# KiCad board Prak's keyboard.kicad_pcb (continued)
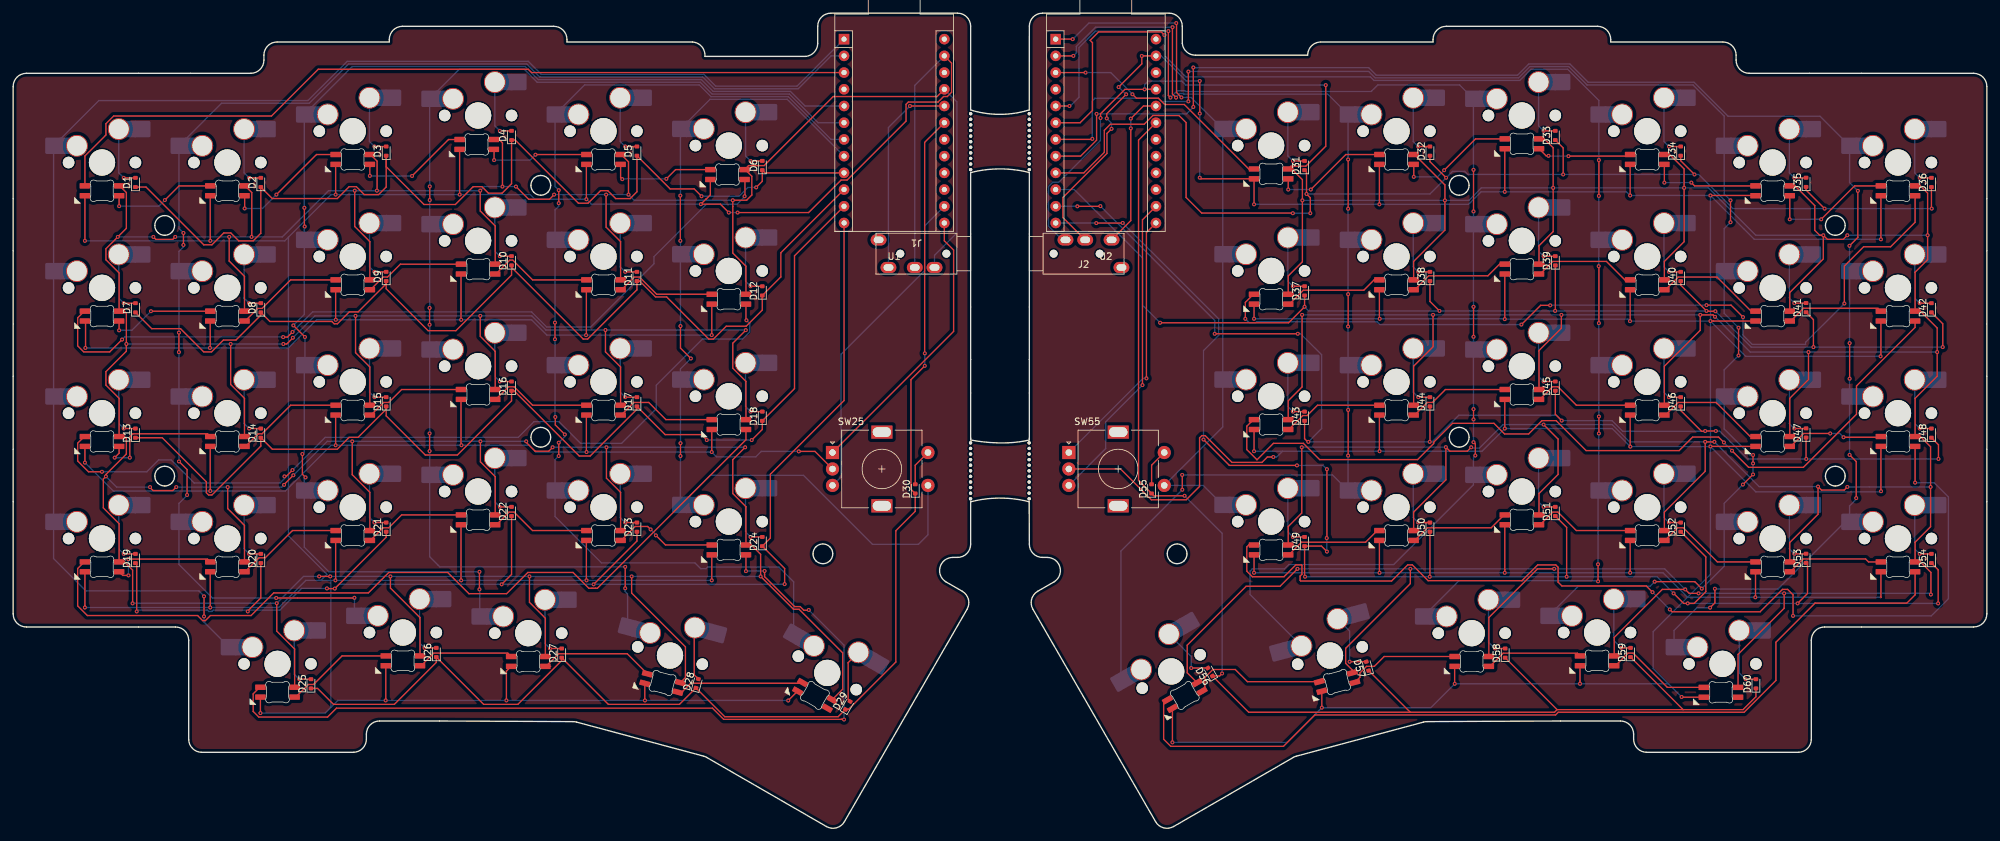
[diagram p0: board, top side]
## Routing (per net, layer and track width the routed paths; a pad name or vN(x,y) marks a point on that pad's centre or on a via; arc(x,y) is an arc through that point)
Column 0: length 334.4
  Top w0.2: v1(176.72,122.39) 176.77,122.34 176.77,111.84 v1(177.52,111.09) ; v1(161,119.94) U2.1 ; v1(29,35.26) v1(29,32.21)
  Bottom w0.2: v1(29,32.21) 29,31.34 SW26.1 ; v1(161,119.94) 161.01,119.94 163.45,122.39 v1(176.72,122.39) ; U1.1 119.11,112.8 106.75,112.8 104.96,114.59 80.25,114.59 78.27,116.57 50.76,116.57 44.8,110.61 13.02,110.61 SW1.1 SW19.1 6.14,41 11.05,36.09 28.22,36.09 29,35.31 v1(29,35.26) ; SW49.1 180.83,52.11 SW55.S1 183.79,61 SW31.1 179.01,111.09 v1(177.52,111.09)
Column 1: length 384
  Top w0.2: v1(177.62,53.71) 177.65,53.69 v1(177.65,51.46) ; v1(202.85,81.18) 202.85,76.27 v1(202.84,76.26) ; v1(161.09,117.4) U2.2 ; v1(39.96,35.01) 51.82,35.01 v1(51.85,35.04) ; v1(176.17,121.76) 176.15,121.73 176.15,111.61 v1(176.7,111.06) ; v1(25.19,55.76) 26.42,54.53 v1(26.42,50.66) ; v1(202.85,56.64) v1(202.85,63.59) ; v1(25.88,90.49) v1(25.88,88.66) ; v1(202.85,94.16) v1(202.85,101.66) ; v1(25.18,75.34) v1(25.18,72.38)
  Bottom w0.2: v1(177.62,53.71) 200.47,53.71 SW50.1 202.84,56.63 v1(202.85,56.64) ; v1(202.84,76.26) SW44.1 202.84,64.02 202.85,64.01 v1(202.85,63.59) ; v1(202.85,94.16) 202.84,94.15 SW38.1 202.84,81.82 202.85,81.81 v1(202.85,81.18) ; SW27.1 51.86,35.03 v1(51.85,35.04) ; v1(176.7,111.06) 176.7,111.11 177.28,111.69 177.77,111.69 177.87,111.59 199.75,111.59 SW32.1 202.84,102.05 202.85,102.04 v1(202.85,101.66) ; v1(25.18,72.38) 25.19,72.38 SW14.1 25.19,55.76 v1(25.19,55.76) ; U1.2 124.28,117.4 119.27,112.4 106.58,112.4 104.79,114.19 80.03,114.19 78.04,116.17 50.96,116.17 45,110.21 31.67,110.21 SW2.1 25.19,91.17 v1(25.88,90.49) ; v1(161.09,117.4) 161.55,117.86 161.55,118.84 164.47,121.76 v1(176.17,121.76) ; v1(177.65,51.46) 168.32,42.13 SW56.1 ; v1(39.96,35.01) 30.28,35.01 25.19,40.1 SW20.1 25.19,49.38 26.42,50.61 v1(26.42,50.66) ; v1(25.18,75.34) 25.19,75.34 SW8.1 25.19,87.68 25.88,88.36 v1(25.88,88.66)
Column 2: length 387.3
  Top w0.2: v1(44.42,53.34) 43.95,53.81 v1(43.95,56.89) ; v1(175.53,121.16) 175.53,111.38 v1(175.85,111.06) ; v1(221.9,100.09) v1(221.9,93.76) ; v1(221.9,63.71) v1(221.9,62.15) ; v1(222.17,56.66) 222.17,58.41 v1(221.9,58.69) ; v1(221.9,79.26) v1(221.9,74.71) ; v1(160.5,109.78) U2.5 ; v1(44.34,74.67) v1(42.57,76.44) ; v1(70.85,36.31) v1(70.85,38.99) ; v1(44.3,91.46) 44.25,91.51 v1(44.25,94.31)
  Bottom w0.2: U1.5 120.33,109.78 118.12,112 106.37,112 104.58,113.79 79.79,113.79 77.81,115.77 51.51,115.77 SW3.1 44.24,94.32 v1(44.25,94.31) ; v1(175.53,121.16) 164.44,121.16 161.95,118.67 161.95,111.11 160.62,109.78 v1(160.5,109.78) ; v1(175.85,111.06) 176.9,112.11 178.01,112.11 178.13,111.99 178.3,111.99 178.32,111.99 206.35,111.99 207.35,112.99 219.78,112.99 SW33.1 221.89,100.1 v1(221.9,100.09) ; v1(221.9,62.15) v1(221.9,58.69) ; SW57.1 187.95,35.53 187.95,39.08 188.3,39.44 193.18,39.44 193.83,40.09 209.77,40.09 221.89,52.2 SW51.1 221.89,56.38 v1(222.17,56.66) ; v1(221.9,79.26) 221.89,79.27 SW39.1 221.9,91.84 v1(221.9,93.76) ; v1(70.85,38.99) 47.98,38.99 44.24,42.72 SW21.1 44.24,53.15 v1(44.42,53.34) ; SW28.1 70.9,32.21 70.9,36.26 v1(70.85,36.31) ; v1(43.95,56.89) 44.24,57.18 SW15.1 44.34,70.49 v1(44.34,74.67) ; v1(221.9,74.71) 221.9,72.79 SW45.1 221.89,63.71 v1(221.9,63.71) ; v1(44.3,91.46) 44.24,91.41 SW9.1 44.24,78.1 v1(42.57,76.44)
Column 3: length 382.1
  Top w0.2: v1(63.3,97.56) v1(63.3,95.49) ; v1(240.95,76.79) 240.95,85.41 v1(240.92,85.44) ; v1(240.95,96.11) v1(240.95,101.56) ; v1(63.27,79.09) v1(63.27,76.54) ; v1(240.82,37.54) v1(240.82,40.14) ; U2.6 162.13,107.24 164,109.11 164,119.41 163.65,119.76 164.93,121.04 174.45,121.04 v1(174.93,120.56) ; v1(63.27,60.02) v1(63.27,57.34) ; v1(93,39.74) v1(93,36.48) ; v1(240.95,60.01) v1(240.95,62.59)
  Bottom w0.2: SW29.1 93.36,35.66 93,36.01 v1(93,36.48) ; v1(240.82,40.14) 240.82,51.23 SW52.1 240.94,60 v1(240.95,60.01) ; v1(240.95,96.11) 240.94,96.1 SW40.1 240.94,85.45 v1(240.92,85.44) ; v1(240.95,101.56) 240.95,108.48 SW34.1 240.94,110.63 236.2,115.37 230.63,115.37 228.92,113.66 206.78,113.66 206.23,114.21 178.18,114.21 174.93,117.46 v1(174.93,120.56) ; v1(240.95,76.79) 240.94,76.78 SW46.1 240.94,63.27 240.95,63.26 v1(240.95,62.59) ; v1(240.82,37.54) 240.72,37.64 219.71,37.64 SW58.1 ; v1(63.3,95.49) 63.3,95.16 63.29,95.15 SW10.1 63.29,79.1 v1(63.27,79.09) ; v1(63.27,76.54) 63.29,76.52 SW16.1 63.29,59.98 63.27,59.99 v1(63.27,60.02) ; v1(63.3,97.56) 63.29,97.57 SW4.1 67.78,115.37 77.64,115.37 79.62,113.39 104.42,113.39 106.21,111.6 117.95,111.6 122.3,107.24 U1.6 ; v1(93,39.74) 64.83,39.74 63.29,41.27 SW22.1 63.29,56.87 63.27,56.89 v1(63.27,57.34)
Column 4: length 382.7
  Top w0.2: v1(262.18,76.09) v1(262.18,71.86) ; v1(82.33,76.86) v1(82.33,74.34) ; v1(260.95,95.44) v1(260.95,92.11) ; v1(264.38,53.79) v1(262.84,52.25) ; v1(82.9,58.61) v1(82.9,56.59) ; v1(82.38,62.51) 82.38,61.31 v1(83.83,59.86) ; v1(163.97,104.79) 163.89,104.7 U2.7 ; v1(264.38,56.74) v1(264.38,55.46) ; v1(82.9,96.99) v1(82.9,95.01) ; v1(178.57,115.01) v1(178.57,110.49) ; v1(249.42,37.49) 255.52,37.49 v1(256.59,36.42)
  Bottom w0.2: v1(260.95,95.44) 259.99,96.4 SW35.1 259.99,108.25 255.25,112.99 239.15,112.99 236.37,115.77 230.46,115.77 228.76,114.06 206.95,114.06 205.98,115.04 178.57,115.04 v1(178.57,115.01) ; v1(249.42,37.49) 248.72,36.79 237.81,36.79 SW59.1 ; v1(262.18,76.09) 259.99,78.27 SW41.1 259.99,91.15 v1(260.95,92.11) ; v1(83.83,59.86) 83.83,59.54 v1(82.9,58.61) ; v1(264.38,55.46) v1(264.38,53.79) ; v1(262.84,52.25) 259.99,49.4 SW53.1 259.99,39.83 v1(256.59,36.42) ; v1(163.97,104.79) 163.97,110.56 164.38,110.96 174.03,110.96 174.53,110.46 178.55,110.46 v1(178.57,110.49) ; v1(82.38,62.51) 82.34,62.55 SW17.1 82.34,74.32 v1(82.33,74.34) ; U1.7 124.28,104.7 117.78,111.2 106.04,111.2 104.25,112.99 86.83,112.99 SW5.1 82.34,97.55 v1(82.9,96.99) ; v1(264.38,56.74) 263.95,56.74 259.99,60.7 SW47.1 259.99,69.68 v1(262.18,71.86) ; v1(82.9,95.01) 82.9,94.56 82.34,94 SW11.1 82.34,76.88 v1(82.33,76.86) ; v1(82.9,56.59) 82.34,56.03 SW23.1 82.34,47.4 89.4,40.34 103.6,40.34 104.48,39.46 105.28,39.46 105.53,39.71 116.35,39.71 118.6,37.46 SW30.1
Column 5: length 375.5
  Top w0.2: v1(101.4,76.34) 101.4,72.99 v1(102.98,71.41) ; v1(279.02,88.54) 280.3,89.81 v1(280.3,96.89) ; v1(257.85,33.54) 258.57,34.26 v1(258.57,36.41) ; v1(279.05,73.74) v1(279.05,68.34) ; v1(101.4,58.54) v1(101.4,56.59) ; v1(164.62,108.59) 164.62,104.59 162.2,102.16 U2.8 ; v1(279.04,56.76) 280.05,55.75 v1(280.05,50.19) ; v1(179.32,115.64) v1(179.32,109.64) ; v1(101.38,96.16) v1(101.38,89.29)
  Bottom w0.2: v1(164.62,108.59) 178.27,108.59 v1(179.32,109.64) ; v1(101.4,76.34) 101.39,76.35 SW12.1 101.39,89.27 v1(101.38,89.29) ; v1(101.4,56.59) 101.4,56.24 101.39,56.23 SW24.1 105.88,53.64 120.09,53.64 130.57,43.16 137.55,43.16 139,44.61 SW25.S1 ; v1(279.05,73.74) 279.04,73.75 SW42.1 279.04,88.52 v1(279.02,88.54) ; SW60.1 252.37,30.06 255.85,33.54 v1(257.85,33.54) ; v1(101.38,96.16) 101.39,96.18 SW6.1 105.88,110.79 117.62,110.79 U1.8 ; v1(280.05,50.19) 280.05,50.01 279.04,49 SW54.1 278.37,46.58 268.15,36.36 258.62,36.36 v1(258.57,36.41) ; v1(280.3,96.89) 279.04,98.15 SW36.1 274.55,108.22 260.58,108.22 255.42,113.39 239.32,113.39 236.54,116.17 230.3,116.17 228.59,114.46 207.12,114.46 205.97,115.61 179.32,115.61 v1(179.32,115.64) ; v1(279.05,68.34) 279.04,68.33 SW48.1 279.04,56.76 v1(279.04,56.76) ; v1(102.98,71.41) 101.39,69.83 SW18.1 101.39,58.55 v1(101.4,58.54)
Encoder Channel A: length 83.8
  Top w0.2: U2.13 172.2,90.55 172.2,68.39 v1(172.2,68.39) ; U1.13 141.49,89.3 142.9,87.89 142.9,75.51 SW25.A
  Bottom w0.2: SW55.A 160.41,57.12 171.67,68.39 v1(172.2,68.39)
Encoder Channel B: length 97.4
  Top w0.2: U2.14 171.6,92.49 v1(171.6,67.36)
  Bottom w0.2: U1.14 138.5,91.55 138.5,84.76 125.8,72.06 125.8,53.42 SW25.B ; v1(171.6,67.36) 166.01,61.77 166.01,57.71 SW55.B
Encoder Common Ground: length 1618
  Top w0.2: v1(117.78,19.43) D89.3 ; v1(257.9,58.04) 257.91,58.04 D107.3 ; 283.8,38.99 283.8,35.14 v2(283.77,35.11) ; v1(106.15,74.96) D72.3 ; D68.3 29.95,73.06 v1(29.9,73.01) ; D118.3 238.08,22.39 v1(238.08,21.96) ; SW55.C 168.27,54.61 172.95,49.93 178.25,49.93 180.27,51.96 180.27,59.33 180.63,59.69 181.12,59.69 185.2,55.61 189.75,55.61 190.57,56.44 v1(191.47,56.44) ; v1(245.7,38.84) D112.3 ; v1(166.9,106.31) 166.2,105.61 166.2,102.57 159.51,95.88 159.51,92.83 J2.R2 ; v1(87.12,37.68) 87.1,37.71 87.1,43.76 ; D119.3 253.57,19.92 v1(253.52,19.96) ; v1(169.12,111.56) 166.16,108.6 v1(166.16,107.9) ; v1(49,58.22) D75.3 ; D67.3 11,76.99 11,73.04 v1(10.97,73.01) ; D76.3 68.05,58.29 v1(68.12,58.22) ; v1(226.65,77.39) 226.65,84.24 ; v1(188.55,57.31) D103.3 ; v1(207.62,38.84) 207.6,38.86 D110.3 ; 87.1,100.91 v1(87.1,95.61) ; D63.3 v1(49,96.32) ; 283.8,96.14 283.8,89.52 v1(283.8,89.52) ; v1(56.6,19.44) 56.6,19.59 56.62,19.61 D86.3 ; v1(245.67,77.09) 245.7,77.11 D100.3 ; v1(226.65,60.76) 226.65,65.19 ; 37.57,19.94 37.57,17.52 v1(37.57,17.51) ; D70.3 68.05,77.31 v1(68.08,77.29) ; v1(207.6,94.84) 207.6,94.84 D92.3 ; v1(106.15,57.19) D78.3 ; v1(108.74,93.59) 107.46,94.86 v1(104.5,94.86) 105.25,95.61 105.27,95.61 105.94,96.27 D66.3 ; v1(49.02,77.29) 49,77.31 D69.3 ; D82.3 68.05,37.71 v1(68.08,37.68) ; v1(29.95,33.56) D80.3 ; v1(67.85,96.32) 67.84,96.33 D64.3 ; 87.1,62.81 87.1,57.21 v1(87.12,57.19) ; v1(10.9,33.56) D79.3 ; v1(96,19.44) 95.97,19.46 D88.3 95.83,21.89 ; v1(245.7,96.19) D94.3 ; SW25.C 121.83,57.29 v1(119.38,57.29) ; D104.3 207.6,57.34 v1(207.62,57.31) ; v1(110.08,93.59) 120.86,93.59 125.79,98.52 126.71,98.52 135.67,107.48 135.67,110.03 136.02,110.38 140.53,110.38 141.37,111.22 141.95,111.22 142.59,111.87 142.59,116.3 U1.23 ; D74.3 v1(29.95,51.26) ; D106.3 245.7,58.04 v1(245.72,58.01) ; v1(188.55,94.84) D91.3 180.47,98.72 v1(180.3,98.89) ; v1(48.96,37.69) 48.96,37.75 49,37.79 D81.3 ; v1(264.72,35.11) 264.75,35.14 D113.3 ; v1(226.65,38.84) 226.65,46.14 ; v1(226.65,96.74) 226.65,103.29 ; v1(219.05,21.96) 219.03,21.98 D117.3 ; v1(176.15,13.06) D115.3 ; v1(283.82,51.24) 283.8,51.26 283.8,58.04 ; v1(87.05,74.96) 87.1,75.01 87.1,81.86 ; v1(106.15,37.68) D84.3 ; v1(198.85,18.34) D116.3 ; 37.42,19.8 37.42,19.71 ; v1(10.9,55.59) D73.3 ; v1(180.3,113.59) v1(180.3,108.64) ; D62.3 v1(29.95,89.29) ; U2.23 171.52,117.4 v1(171.5,117.39) 171.5,116.19 v1(167.97,112.66) ; v1(257.9,96.18) 264.66,96.18 arc(264.71,96.17) D95.3 ; D98.3 207.6,77.59 207.65,77.54 v1(207.65,77.44) ; v1(188.55,77.44) D97.3 ; v1(188.55,38.84) D109.3 ; v1(10.9,89.29) D61.3 ; v1(283.75,71.74) 283.8,71.79 283.8,77.09 ; D101.3 258.37,77.09 v1(257.9,77.1) ; v1(74.95,19.44) 74.95,23.89 D87.3
  Bottom w0.2: v1(119.38,57.29) 113.68,57.29 112.85,56.46 106.88,56.46 v1(106.15,57.19) v1(87.12,57.19) ; v1(180.3,113.59) 178.24,113.59 174.44,117.39 v1(171.5,117.39) ; v1(257.9,96.18) 257.9,96.19 v1(257.9,77.1) ; v1(257.9,96.18) 245.71,96.18 v1(245.7,96.18) 245.15,96.74 v1(226.65,96.74) 223.05,96.74 221.15,94.84 207.6,94.84 v1(207.6,94.84) 207.6,94.84 v1(188.55,94.84) ; v1(257.9,96.18) 257.9,96.18 264.56,89.52 276.64,89.52 276.65,89.51 276.87,89.52 v1(283.8,89.52) ; 254.42,35.11 v1(264.72,35.11) v2(283.77,35.11) ; 254.42,35.11 249.2,29.89 249.2,24.29 251.52,21.96 ; 254.42,35.11 257.9,38.59 v1(257.9,58.04) ; 254.42,35.11 250.7,38.84 v1(245.7,38.84) v1(226.65,38.84) v1(207.62,38.84) v1(188.55,38.84) ; v1(49,58.22) 49.1,58.22 ; v1(49,58.22) 48.3,58.22 41.82,51.74 ; v1(49,58.22) 78.4,58.22 79.43,57.19 v1(87.12,57.19) ; v1(180.3,108.64) v1(180.3,98.89) ; v1(167.97,112.66) 169.07,111.56 v1(169.12,111.56) ; 251.52,21.96 v1(238.08,21.96) 219.05,21.96 v1(219.05,21.96) 215.42,18.34 v1(198.85,18.34) 193.57,13.06 v1(176.15,13.06) ; 251.52,21.96 v1(253.52,19.96) ; v1(87.12,57.19) 87.23,57.19 ; v1(87.12,37.68) v1(68.08,37.68) 48.96,37.68 v1(48.96,37.69) 48.9,37.69 48.9,37.68 46.75,37.68 ; v1(87.12,37.68) v1(106.15,37.68) ; v1(87.12,37.68) 87.2,37.68 ; 192.88,57.31 192,56.44 v1(191.47,56.44) ; 192.88,57.31 v1(207.62,57.31) 223.2,57.31 v1(226.65,60.76) 242.97,60.76 v1(245.72,58.01) 257.88,58.01 v1(257.9,58.04) ; 192.88,57.31 v1(188.55,57.31) 188.55,57.29 ; U1.23 137,112.91 J1.R2 ; v1(37.57,17.51) 47.4,17.51 48.27,18.39 ; 41.82,51.74 41.82,44.46 47.66,38.62 47.66,38.6 46.75,37.68 ; 41.82,51.74 41.35,51.26 v1(29.95,51.26) 15.22,51.26 v1(10.9,55.59) ; 41.82,51.74 41.82,73.01 ; v1(207.65,77.44) 207.7,77.39 ; v1(207.65,77.44) 226.6,77.44 v1(226.65,77.39) 245.38,77.39 v1(245.67,77.09) 257.89,77.09 v1(257.9,77.1) ; v1(207.65,77.44) 207.65,77.44 v1(188.55,77.44) ; 41.82,73.01 46.1,77.29 v1(49.02,77.29) v1(68.08,77.29) 78.78,77.29 81.1,74.96 v1(106.15,74.96) ; 41.82,73.01 41.82,89.84 ; 41.82,73.01 v1(29.9,73.01) v1(10.97,73.01) ; v1(257.9,77.1) 257.9,77.09 263.25,71.74 v1(283.75,71.74) ; v1(257.9,77.1) v1(257.9,58.04) ; v1(257.9,58.04) 264.8,51.14 283.72,51.14 v1(283.82,51.24) ; 48.27,18.39 49.32,19.44 v1(56.6,19.44) 117.76,19.44 v1(117.78,19.43) ; 48.27,18.39 48.27,37.68 ; 41.82,89.84 48.3,96.32 v1(49,96.32) v1(67.85,96.32) 78.6,96.32 79.3,95.61 v1(87.1,95.61) 87.85,94.86 v1(104.5,94.86) ; 41.82,89.84 41.27,89.29 v1(29.95,89.29) v1(10.9,89.29) ; v1(166.9,106.31) 166.9,107.16 v1(166.16,107.9) ; 46.75,37.68 44.47,37.68 40.35,33.56 v1(29.95,33.56) v1(10.9,33.56) ; v1(108.74,93.59) v1(110.08,93.59)
Row 0: length 340.9
  Top w0.2: v1(235.52,99.38) 235.52,103.41 D33.1 ; v1(255.47,99.38) 253.38,101.47 D34.1 ; U2.9 162.69,99.62 165.8,102.74 165.8,106.09 166.72,107.01 171.86,107.01 173.19,108.34 174.11,108.34 174.11,108.34 177.15,108.34 178.22,107.26 178.22,95.89 180.6,93.51 194.42,93.51 v1(194.45,93.49) ; D32.1 215.28,101.33 v1(217.73,98.88) ; D35.1 272.43,97.01 v1(275.25,94.19) ; v1(291.52,94.19) 291.48,94.23 D36.1 ; v1(104.6,96.06) 103.48,97.19 99.82,97.19 D5.1 94.78,96.74 93.75,95.71 91.55,95.71 90.35,96.91 89.25,96.91 87.35,95.01 85.88,95.01 76.29,104.61 D4.1 75.73,97.97 74.29,96.53 72.21,96.53 71.22,97.52 69.9,97.52 67.19,94.81 62.42,94.81 56.68,100.56 D3.1 56.68,97.47 55.52,96.32 53.35,96.32 52.15,97.52 51.05,97.52 49.25,95.72 39.38,95.72 D2.1 37.63,90.44 36.47,89.28 34.28,89.28 33.07,90.49 32,90.49 30.2,88.68 28.96,88.68 20.19,97.46 D1.1 ; v1(112.9,97.41) 113.83,98.34 D6.1 114.24,99.62 U1.9 ; v1(197.1,93.49) 197.1,95.84 v1(196.52,96.41) 196.52,99.74 D31.1
  Bottom w0.2: v1(112.9,97.41) 111.64,97.41 110.29,96.06 v1(104.6,96.06) ; v1(196.52,96.41) 215.27,96.41 218.7,99.84 220.57,99.84 221.03,99.38 v1(235.52,99.38) v1(255.47,99.38) 256.12,99.38 261.31,94.19 v1(275.25,94.19) v1(291.52,94.19) ; v1(194.45,93.49) v1(197.1,93.49)
Row 1: length 333.7
  Top w0.2: D41.1 273.55,77.32 v1(273.55,73.14) ; D37.1 v1(196.23,79.27) 193.8,76.83 v1(174.27,76.83) ; D7.1 21.05,75.94 25.43,75.94 28.96,72.41 30.15,72.41 31.95,74.21 33.86,74.21 37.63,77.98 D8.1 39.01,77.04 48.43,77.04 48.78,76.68 49.27,76.68 51.08,78.49 52.42,78.49 56.68,82.75 D9.1 56.68,82.01 63.05,75.64 67.27,75.64 75.73,84.09 D10.1 75.73,85.26 86.63,74.36 87.3,74.36 94.78,81.84 D11.1 95.2,83.17 97.61,80.77 99.3,80.77 105.7,74.36 106.4,74.36 108.35,76.31 111.38,76.31 113.83,78.77 D12.1 116.65,83.8 116.65,87.48 U1.10 ; D39.1 234.33,78.67 v1(234.3,78.64) ; v1(258.65,78.59) 257.35,78.59 v1(257.3,78.64) 253.38,82.56 D40.1 ; v1(293.2,73.14) 293.2,76.69 D42.1 ; v1(216.72,78.64) 215.28,80.08 D38.1
  Bottom w0.2: v1(257.3,78.64) v1(234.3,78.64) v1(216.72,78.64) 196.86,78.64 v1(196.23,79.27) ; v1(293.2,73.14) v1(273.55,73.14) 264.1,73.14 v1(258.65,78.59) ; U2.10 161.23,97.08 171.6,86.71 171.6,79.51 v1(174.27,76.83)
Row 2: length 357.7
  Top w0.2: v1(182.57,75.16) v1(195.2,75.16) ; D13.1 22.65,59.36 29.35,52.66 29.35,51.01 29.7,50.66 30.2,50.66 37.63,58.09 D14.1 39.38,57.62 49.25,57.62 51.05,59.42 52.4,59.42 56.68,63.7 D15.1 56.68,62.68 62.62,56.74 67.49,56.74 75.73,64.97 D16.1 76.1,66.51 86.02,56.58 87.67,56.58 94.78,63.7 D17.1 99.07,59.84 104.58,59.84 v1(105.4,59.01) ; D43.1 196.23,59.22 196.71,58.74 v1(196.8,58.74) ; D18.1 113.83,61.93 ; D18.1 113.83,60.62 v1(112.23,59.01) ; D18.1 118.73,66.83 118.73,87.02 U1.11 ; D45.1 234.33,62.93 v1(235.3,61.96) ; v1(165.2,94.56) 165.17,94.54 v1(161.7,94.54) ; D44.1 215.28,58.77 v1(215.25,58.74) ; v1(292.55,56.14) 292.55,58.29 D48.1 ; D46.1 253.38,63.51 256.55,60.34 257.05,60.34 v1(257.1,60.39) v1(258.72,60.39) ; D47.1 272.43,56.16 v1(272.45,56.14)
  Bottom w0.2: v1(258.72,60.39) 258.75,60.36 259.32,60.36 263.55,56.14 v1(272.45,56.14) v1(292.55,56.14) ; v1(195.2,75.16) 195.63,75.16 198.82,71.98 198.82,60.75 v1(196.8,58.74) v1(215.25,58.74) 215.62,58.74 219.67,62.79 234.48,62.79 v1(235.3,61.96) 242.94,61.96 244.57,60.34 257.05,60.34 v1(257.1,60.39) ; v1(112.23,59.01) v1(105.4,59.01) ; v1(165.2,94.56) 182.57,77.19 v1(182.57,75.16) ; v1(161.7,94.54) 161.69,94.54 U2.11
Row 3: length 444.9
  Top w0.2: v1(74.23,37.08) 75.73,38.59 D22.1 ; v1(292.5,34.19) 292.5,39.29 D54.1 ; v1(195.07,55.16) 184.8,55.16 v1(180.88,59.09) ; D50.1 215.28,38.27 v1(215.25,38.24) ; v1(18.77,32.96) 18.77,40.12 D19.1 ; v1(199.62,54.59) 199.62,44.14 v1(199.6,44.11) ; v1(117.23,37.11) 117.23,39.49 D24.1 115.06,44.11 115.06,53.82 126.25,65.01 U1.12 ; v1(196.3,38.24) 196.23,38.31 D49.1 198.8,42.88 v1(199.62,42.06) ; D53.1 272.65,40.11 272.65,35.69 v1(271.15,34.19) ; D52.1 257.2,41.25 257.2,35.96 255.42,34.19 v1(254.45,34.19) 253.82,34.19 v1(252.3,35.71) ; D23.1 94.78,43.66 v1(88.2,37.08) ; v1(168.6,92.01) 168.57,91.99 v1(164.57,91.99) ; v1(236.05,38.24) 236.05,45.74 D51.1 ; D21.1 56.68,44.24 v1(48.88,36.44) 47.7,36.44 v1(47.67,36.46) ; D20.1 37.63,35.02 35.65,33.04 v1(35.65,32.96)
  Bottom w0.2: v1(47.67,36.46) 43.82,36.46 40.52,33.16 30.4,33.16 30.2,32.96 29.7,32.96 29.5,33.16 18.97,33.16 v1(18.77,32.96) ; U2.12 164.56,92 v1(164.57,91.99) ; v1(168.6,92.01) 183.18,77.43 183.18,74.91 180.88,72.61 v1(180.88,59.09) ; v1(196.3,38.24) v1(215.25,38.24) v1(236.05,38.24) 249.77,38.24 v1(252.3,35.71) ; v1(199.6,44.11) 199.6,42.09 v1(199.62,42.06) ; v1(195.07,55.16) 199.05,55.16 v1(199.62,54.59) ; v1(254.45,34.19) v1(271.15,34.19) v1(292.5,34.19) ; v1(117.23,37.11) 117.18,37.11 117.15,37.08 v1(88.2,37.08) v1(74.23,37.08) 49.52,37.08 v1(48.88,36.44)
Row 4: length 407.3
  Top w0.2: v1(183.7,23.54) 183.32,23.15 D56.1 187.75,17.64 212.3,17.64 ; 234.6,18.04 234.2,17.64 212.3,17.64 ; 234.6,18.04 253.75,18.04 ; 234.6,18.04 D58.1 ; 212.3,17.64 D57.1 ; U1.19 138.5,104.25 138.5,72.21 v1(138.52,72.19) ; 253.75,18.04 262.85,18.04 264.81,20 D60.1 ; 253.75,18.04 D59.1 ; v1(138.52,70.29) 136.42,68.19 136.42,51.54 D30.1 137.07,48.18 134.12,45.24 134.12,25.27 126.93,18.07 D29.1 125.36,16.96 108.13,16.96 D28.1 101.24,18.84 90.44,18.84 D27.1 83.35,25.5 76.68,18.84 71.49,18.84 D26.1 64.3,25.22 57.92,18.84 48.67,18.84 46.25,21.26 D25.1 ; U2.19 171,104.59 171,52.87 D55.1 173.34,50.54 v1(178,50.54)
  Bottom w0.2: v1(138.52,70.29) 138.52,70.29 v1(138.52,72.19) ; v1(178,50.54) 183.7,44.84 v1(183.7,23.54)
SDI: length 162.8
  Top w0.2: U1.3 78.77,114.86 78.27,115.37 46.36,115.37 39.25,108.26 15.27,108.26 14.09,107.08 14.09,105.37 10.9,102.18 D61.4 ; D91.4 187.74,100.22 177.95,110.01 174.98,110.01 174.03,110.96 170.67,110.96 v1(170.07,111.56) ; U2.3 162.95,114.86 v1(162.95,114.86)
  Bottom w0.2: v1(162.95,114.86) 166.77,114.86 v1(170.07,111.56)
TRRS Power: length 1790.3
  Top w0.2: 232.65,66.69 D105.1 231.85,72.62 235.25,76.02 v1(235.25,78.04) ; 243.28,26.21 243.28,29.01 250.58,36.31 v1(254.07,36.31) 254.67,35.71 v1(256.1,35.71) ; v1(78.45,38.28) 78.45,34.34 80.87,31.92 D87.1 ; D69.1 54.2,89.17 51.9,91.47 v1(51.9,96.92) ; v1(81.98,57.91) 81.38,57.32 79.3,57.32 77.96,58.66 v1(77.96,58.82) ; v1(275.05,90.14) 275.05,86.54 269.95,81.44 D101.1 270.54,78.59 ; v1(275.05,90.14) 275.67,89.51 278.08,89.51 v1(278.7,90.14) ; v1(275.05,90.14) 274.5,90.14 273.75,90.89 273.75,94.64 270.75,97.64 D95.1 ; 212.89,83.36 D98.1 212.8,86.16 217.55,90.91 v1(217.55,95.44) 217.55,97.79 212.94,102.41 D92.1 ; D83.1 92.3,51.07 90.15,53.22 v1(90.15,57.91) ; U1.21 140.39,111.22 124.61,111.22 114.11,100.72 111.75,100.72 D66.1 111.23,100.11 112.24,99.1 112.24,96.25 111.45,95.46 v1(109.35,95.46) 109.35,94.49 109.34,94.47 109.34,87.44 111.35,85.43 D72.1 ; 251.48,45.26 D112.1 250.9,48.06 257.1,54.26 v1(257.1,58.74) v1(258.5,58.74) ; v1(46.5,38.29) v1(48.17,38.29) ; 232.65,47.64 D111.1 231.85,50.89 234.75,53.79 234.75,59.16 v1(232.55,61.36) ; D88.1 102.15,22.91 102.15,27.58 93.98,35.76 v1(93.98,38.28) ; 180.22,22.13 D115.1 178.4,23.64 178.4,27.83 187.35,36.79 192.5,36.79 v1(195.15,39.44) ; v1(82.2,96.31) 81.5,95.61 78.33,95.61 v1(76.4,97.54) ; v1(195.85,78.04) 195.85,67.09 193.75,64.99 D103.1 193.84,62.12 ; v1(195.8,57.91) 195.8,47.92 193.75,45.87 D109.1 194.55,43.07 ; v1(70.98,77.89) 70.98,74.77 73.25,72.5 D76.1 ; D62.1 35.24,97.64 36.25,96.63 36.25,89.91 v1(36.23,89.89) ; D61.1 16.19,97.64 17.2,96.63 17.2,91.19 14.09,88.07 14.09,86.41 16.1,84.4 D67.1 16.9,78.59 17.2,78.29 17.2,72.51 14.09,69.4 14.09,67.36 16.1,65.35 D73.1 16.9,59.54 17.2,59.24 17.2,56.89 14.09,53.77 v1(14.09,53.49) ; v1(212.3,39.44) 212.3,37.19 202.47,27.36 202.47,25.07 203.48,24.06 D116.1 ; v1(32.82,89.89) 32.82,86.21 35.15,83.89 D68.1 ; D80.1 35.15,46.04 32.6,48.59 v1(32.6,51.86) ; v1(18.15,34.19) 18.15,39.24 16.9,40.49 D79.1 16.1,46.3 13.7,48.7 13.7,53.1 v1(14.09,53.49) ; 61.84,26.19 D86.1 61.82,32.02 57.32,36.51 v1(57.32,38.28) ; v1(55.27,96.92) 55.3,96.94 55.3,101.4 54.29,102.41 D63.1 ; v1(33.05,73.61) 33.05,67.45 35.15,65.35 D74.1 ; v1(199.45,112.96) 199.45,103.66 196.42,100.64 194.17,100.64 D91.1 194.27,100.22 195.9,98.59 v1(195.9,95.44) 195.9,86.12 193.75,83.97 D97.1 194.55,81.17 ; v1(42.5,74.56) 42.5,74.53 41.58,73.61 v1(41.05,73.61) ; v1(269.1,35.71) 269.1,33.44 262.1,26.43 D119.1 ; D78.1 111.35,67.92 109.34,69.94 109.34,73.72 v1(111.33,75.71) ; v1(24.62,89.89) 24.25,89.51 21.67,89.51 v1(21.3,89.89) ; v1(291.4,35.54) 291.4,38.89 289.8,40.49 D114.1 289,43.49 291.35,45.84 v1(291.35,51.89) 291.35,57.99 289.8,59.54 D108.1 289,65.35 292.35,68.7 v1(292.35,72.39) 292.35,76.04 289.8,78.59 D102.1 289,84.52 290.9,86.42 v1(290.9,90.14) 290.9,96.54 289.8,97.64 D96.1 ; v1(40.05,34.21) 40.05,29.97 42.77,27.25 D85.1 43.56,21.44 ; v1(215.75,78.04) 215.75,73.19 212.8,70.24 D104.1 213.58,64.31 ; 251.7,83.36 D100.1 250.9,86.16 253.9,89.16 v1(253.9,97.34) 253.9,100.21 251.7,102.41 D94.1 ; v1(70.98,96.92) 70.98,93.82 73.25,91.55 D70.1 ; 270.75,59.54 D107.1 269.95,65.35 272.8,68.2 v1(272.8,72.39) ; D89.1 126.05,21.14 126.05,26.66 119.42,33.29 118.57,33.29 v1(113.58,38.29) 113.58,41.64 112.15,43.07 D84.1 111.35,48.87 109.34,50.89 109.34,56.02 v1(111.23,57.91) ; 251.53,64.31 D106.1 250.9,70.24 256.35,75.69 v1(256.35,78.04) 258.3,78.04 v1(258.6,77.74) ; v1(90,75.74) 90,72.42 92.3,70.12 D77.1 ; 232.65,85.74 D99.1 231.85,88.54 234,90.69 v1(234,97.34) 234,103.44 232.65,104.79 D93.1 ; D65.1 92.39,102.41 93.5,101.3 v1(93.5,96.31) ; v1(24.77,51.86) 24.25,51.34 21.25,51.34 20.8,51.79 v1(20.8,51.86) ; v1(41.17,52.2) 41.17,52.26 v1(42.57,53.66) ; U2.21 171.94,112.32 v1(171.92,112.31) 168.92,112.31 165.22,108.61 v1(165.22,107.96) ; D75.1 54.2,70.12 52.02,72.29 v1(52.02,77.89) ; D81.1 54.2,51.07 51.52,53.74 v1(51.52,58.82) ; D71.1 92.3,89.17 90.1,91.37 v1(90.1,96.31) ; v1(74.35,97.54) 74.35,104.17 73.84,104.69 D64.1 73.13,104.69 ; 270.75,40.49 D113.1 269.95,43.44 274.25,47.74 v1(274.25,51.94) 274.77,51.41 278.23,51.41 v1(278.7,51.89) ; 213.6,45.26 D110.1 212.8,48.06 217.7,52.96 v1(217.7,57.94) 218.32,57.32 220.96,57.32 v1(221.55,57.91) ; D82.1 73.25,53.45 71,55.7 v1(71,58.82) ; v1(14.09,53.49) 14.1,53.47 ; D117.1 224.23,32.04 231.63,39.44 v1(234.15,39.44)
  Bottom w0.2: v1(24.62,89.89) v1(32.82,89.89) 40.9,89.89 47.93,96.92 v1(51.9,96.92) v1(55.27,96.92) v1(70.98,96.92) 71.59,97.54 v1(74.35,97.54) v1(76.4,97.54) ; v1(195.85,78.04) v1(215.75,78.04) 256.35,78.04 v1(256.35,78.04) ; v1(48.17,38.29) 57.32,38.29 v1(57.32,38.28) v1(78.45,38.28) v1(93.98,38.28) 113.57,38.28 v1(113.58,38.29) ; v1(14.09,53.49) 15.71,51.86 v1(20.8,51.86) ; v1(290.9,90.14) v1(278.7,90.14) ; U1.21 143.4,110.41 143.4,90.49 140,87.09 J1.S ; v1(291.35,51.89) v1(278.7,51.89) ; v1(195.9,95.44) 195.9,95.44 v1(217.55,95.44) 221.19,95.44 223.08,97.34 v1(234,97.34) v1(253.9,97.34) 257.59,97.34 264.8,90.14 v1(275.05,90.14) ; v1(41.17,52.2) 40.83,51.86 v1(32.6,51.86) v1(24.77,51.86) ; v1(291.4,35.54) 291.22,35.71 v1(269.1,35.71) 256.1,35.71 v1(256.1,35.71) ; v1(195.15,39.44) 250.95,39.44 v1(254.07,36.31) ; v1(111.33,75.71) 111.3,75.74 v1(90,75.74) 80.95,75.74 78.8,77.89 v1(52.02,77.89) 45.85,77.89 42.53,74.56 v1(42.5,74.56) ; v1(41.05,73.61) v1(33.05,73.61) v1(17.2,73.61) ; v1(18.15,34.19) 18.17,34.21 v1(40.05,34.21) 44.12,38.28 46.5,38.28 46.5,38.29 v1(46.5,38.29) ; v1(195.8,57.91) 195.82,57.94 v1(217.7,57.94) ; 165.2,107.96 165.2,104.52 158.87,98.18 157.95,98.18 157.31,97.54 157.31,91.55 159.42,89.44 J2.S ; v1(258.6,77.74) 263.95,72.39 v1(292.35,72.39) ; v1(274.25,51.94) 265.3,51.94 v1(258.5,58.74) ; v1(15.9,89.89) v1(21.3,89.89) ; v1(199.45,112.96) 178.17,112.96 177.57,113.56 172.45,113.56 171.92,113.04 v1(171.92,112.31) ; v1(111.23,57.91) v1(90.15,57.91) v1(81.98,57.91) ; v1(77.96,58.82) v1(71,58.82) 47.73,58.82 v1(42.57,53.66) ; v1(82.2,96.31) v1(90.1,96.31) v1(93.5,96.31) 94.35,95.46 v1(109.35,95.46) ; v1(221.55,57.91) 221.67,57.79 222.8,57.79 226.38,61.36 v1(232.55,61.36) 242.97,61.36 245.6,58.74 v1(257.1,58.74)
TRRS Signal: length 55.4
  Top w0.2: v1(136.27,109.78) U1.20 ; v1(169.82,107.86) 171.75,109.78 U2.20 ; v1(169.82,106.39) 169.82,92.36 J2.R1
  Bottom w0.2: J1.R1 133,106.51 v1(136.27,109.78) ; v1(169.82,106.39) v1(169.82,107.86)
Net-(D1-A): length 9.5
  Top w0.2: D1.2 v1(16.8,98.86)
  Bottom w0.2: SW1.2 16.04,99.62 v1(16.8,98.86)
Net-(D2-A): length 9.5
  Top w0.2: D2.2 v1(35.85,98.86)
  Bottom w0.2: SW2.2 35.09,99.62 v1(35.85,98.86)
Net-(D3-A): length 9.5
  Top w0.2: D3.2 v1(54.9,103.62)
  Bottom w0.2: v1(54.9,103.62) 54.14,104.38 SW3.2
Net-(D4-A): length 9.5
  Top w0.2: D4.2 v1(73.95,106.01)
  Bottom w0.2: v1(73.95,106.01) 73.19,106.77 SW4.2
Net-(D5-A): length 9.5
  Top w0.2: D5.2 v1(93,103.62)
  Bottom w0.2: v1(93,103.62) 92.24,104.38 SW5.2
Net-(D6-A): length 9.5
  Top w0.2: D6.2 v1(112.05,101.43)
  Bottom w0.2: v1(112.05,101.43) 111.29,102.19 SW6.2
Net-(D7-A): length 9.5
  Top w0.2: D7.2 v1(16.8,79.81)
  Bottom w0.2: SW7.2 16.04,80.57 v1(16.8,79.81)
Net-(D8-A): length 9.5
  Top w0.2: D8.2 v1(35.85,79.81)
  Bottom w0.2: SW8.2 35.09,80.57 v1(35.85,79.81)
Net-(D9-A): length 9.5
  Top w0.2: D9.2 v1(54.9,84.57)
  Bottom w0.2: v1(54.9,84.57) 54.14,85.33 SW9.2
Net-(D10-A): length 9.5
  Top w0.2: D10.2 v1(73.95,86.96)
  Bottom w0.2: SW10.2 73.19,87.72 v1(73.95,86.96)
Net-(D11-A): length 9.5
  Top w0.2: D11.2 v1(93,84.57)
  Bottom w0.2: v1(93,84.57) 92.24,85.33 SW11.2
Net-(D12-A): length 9.5
  Top w0.2: D12.2 v1(112.05,82.38)
  Bottom w0.2: v1(112.05,82.38) 111.29,83.14 SW12.2
Net-(D13-A): length 9.5
  Top w0.2: D13.2 v1(16.8,60.76)
  Bottom w0.2: v1(16.8,60.76) 16.04,61.52 SW13.2
Net-(D14-A): length 9.5
  Top w0.2: D14.2 v1(35.85,60.76)
  Bottom w0.2: SW14.2 35.09,61.52 v1(35.85,60.76)
Net-(D15-A): length 9.5
  Top w0.2: D15.2 v1(54.9,65.52)
  Bottom w0.2: SW15.2 54.14,66.28 v1(54.9,65.52)
Net-(D16-A): length 9.5
  Top w0.2: D16.2 v1(73.95,67.91)
  Bottom w0.2: SW16.2 73.19,68.67 v1(73.95,67.91)
Net-(D17-A): length 9.5
  Top w0.2: D17.2 v1(93,65.52)
  Bottom w0.2: SW17.2 92.24,66.28 v1(93,65.52)
Net-(D18-A): length 9.5
  Top w0.2: D18.2 v1(112.05,63.33)
  Bottom w0.2: v1(112.05,63.33) 111.29,64.09 SW18.2
Net-(D19-A): length 9.5
  Top w0.2: D19.2 v1(16.8,41.71)
  Bottom w0.2: v1(16.8,41.71) 16.04,42.47 SW19.2
Net-(D20-A): length 9.5
  Top w0.2: D20.2 v1(35.85,41.71)
  Bottom w0.2: v1(35.85,41.71) 35.09,42.47 SW20.2
Net-(D21-A): length 9.5
  Top w0.2: D21.2 v1(54.9,46.47)
  Bottom w0.2: SW21.2 54.14,47.23 v1(54.9,46.47)
Net-(D22-A): length 9.5
  Top w0.2: D22.2 v1(73.95,48.86)
  Bottom w0.2: SW22.2 73.19,49.62 v1(73.95,48.86)
Net-(D23-A): length 9.5
  Top w0.2: D23.2 v1(93,46.47)
  Bottom w0.2: v1(93,46.47) 92.24,47.23 SW23.2
Net-(D24-A): length 9.5
  Top w0.2: D24.2 v1(112.05,44.28)
  Bottom w0.2: v1(112.05,44.28) 111.29,45.04 SW24.2
Net-(D25-A): length 9.5
  Top w0.2: D25.2 v1(43.47,22.66)
  Bottom w0.2: SW26.2 42.71,23.42 v1(43.47,22.66)
Net-(D26-A): length 9.5
  Top w0.2: D26.2 v1(62.52,27.42)
  Bottom w0.2: v1(62.52,27.42) 61.76,28.18 SW27.2
Net-(D27-A): length 9.5
  Top w0.2: D27.2 v1(81.57,27.33)
  Bottom w0.2: SW28.2 80.81,28.09 v1(81.57,27.33)
Net-(D28-A): length 9.6
  Top w0.2: SW29.2 103.49,30.42 103.49,23.31 D28.2
  Bottom w0.2: 102.5,29.43 SW29.2
Net-(D29-A): length 8.2
  Top w0.2: D29.2 126.87,19.58 126.87,25.18 SW30.2
Net-(D30-A): length 5.6
  Top w0.2: SW25.S2 137.07,55.19 D30.2
Net-(D31-A): length 9.5
  Top w0.2: D31.2 v1(194.45,101.43)
  Bottom w0.2: SW31.2 193.69,102.19 v1(194.45,101.43)
Net-(D32-A): length 9.5
  Top w0.2: D32.2 v1(213.5,103.62)
  Bottom w0.2: SW32.2 212.74,104.38 v1(213.5,103.62)
Net-(D33-A): length 9.5
  Top w0.2: D33.2 v1(232.55,106.01)
  Bottom w0.2: v1(232.55,106.01) 231.79,106.77 SW33.2
Net-(D34-A): length 9.5
  Top w0.2: D34.2 v1(251.6,103.62)
  Bottom w0.2: v1(251.6,103.62) 250.84,104.38 SW34.2
Net-(D35-A): length 9.5
  Top w0.2: 272.43,98.86 v1(270.65,98.86)
  Bottom w0.2: v1(270.65,98.86) 269.89,99.62 SW35.2
Net-(D36-A): length 9.5
  Top w0.2: D36.2 v1(289.7,98.86)
  Bottom w0.2: v1(289.7,98.86) 288.94,99.62 SW36.2
Net-(D37-A): length 9.5
  Top w0.2: D37.2 v1(194.45,82.38)
  Bottom w0.2: SW37.2 193.69,83.14 v1(194.45,82.38)
Net-(D38-A): length 9.5
  Top w0.2: D38.2 v1(213.5,84.57)
  Bottom w0.2: v1(213.5,84.57) 212.74,85.33 SW38.2
Net-(D39-A): length 9.5
  Top w0.2: D39.2 v1(232.55,86.96)
  Bottom w0.2: SW39.2 231.79,87.72 v1(232.55,86.96)
Net-(D40-A): length 9.5
  Top w0.2: D40.2 v1(251.6,84.57)
  Bottom w0.2: v1(251.6,84.57) 250.84,85.33 SW40.2
Net-(D41-A): length 9.5
  Top w0.2: 272.43,79.81 v1(270.65,79.81)
  Bottom w0.2: v1(270.65,79.81) 269.89,80.57 SW41.2
Net-(D42-A): length 9.5
  Top w0.2: D42.2 v1(289.7,79.81)
  Bottom w0.2: v1(289.7,79.81) 288.94,80.57 SW42.2
Net-(D43-A): length 9.5
  Top w0.2: D43.2 v1(194.45,63.33)
  Bottom w0.2: SW43.2 193.69,64.09 v1(194.45,63.33)
Net-(D44-A): length 9.5
  Top w0.2: D44.2 v1(213.5,65.52)
  Bottom w0.2: SW44.2 212.74,66.28 v1(213.5,65.52)
Net-(D45-A): length 9.5
  Top w0.2: D45.2 v1(232.55,67.91)
  Bottom w0.2: v1(232.55,67.91) 231.79,68.67 SW45.2
Net-(D46-A): length 9.5
  Top w0.2: D46.2 v1(251.6,65.52)
  Bottom w0.2: v1(251.6,65.52) 250.84,66.28 SW46.2
Net-(D47-A): length 9.5
  Top w0.2: 272.43,60.76 v1(270.65,60.76)
  Bottom w0.2: SW47.2 269.89,61.52 v1(270.65,60.76)
Net-(D48-A): length 9.5
  Top w0.2: D48.2 v1(289.7,60.76)
  Bottom w0.2: SW48.2 288.94,61.52 v1(289.7,60.76)
Net-(D49-A): length 9.5
  Top w0.2: D49.2 v1(194.45,44.28)
  Bottom w0.2: SW49.2 193.69,45.04 v1(194.45,44.28)
